# Altium PCB IMX6 DEV BOARD.PcbDoc (part 11 of 12)
Units mm, origin at the board's own origin, x right, y up, seen from the top; angles counter-clockwise.
Board outline 72.05 x 100.23 mm, 8 copper layers (Top Layer, GND 1, Inner 2, PWR 1, PWR 2, Inner 5, GND2, Bottom Layer), stack 1.463 mm thick; 691 components, 568 nets, 3028 pads, 1624 vias.
Unrouted connection lines stored in the file: 1.
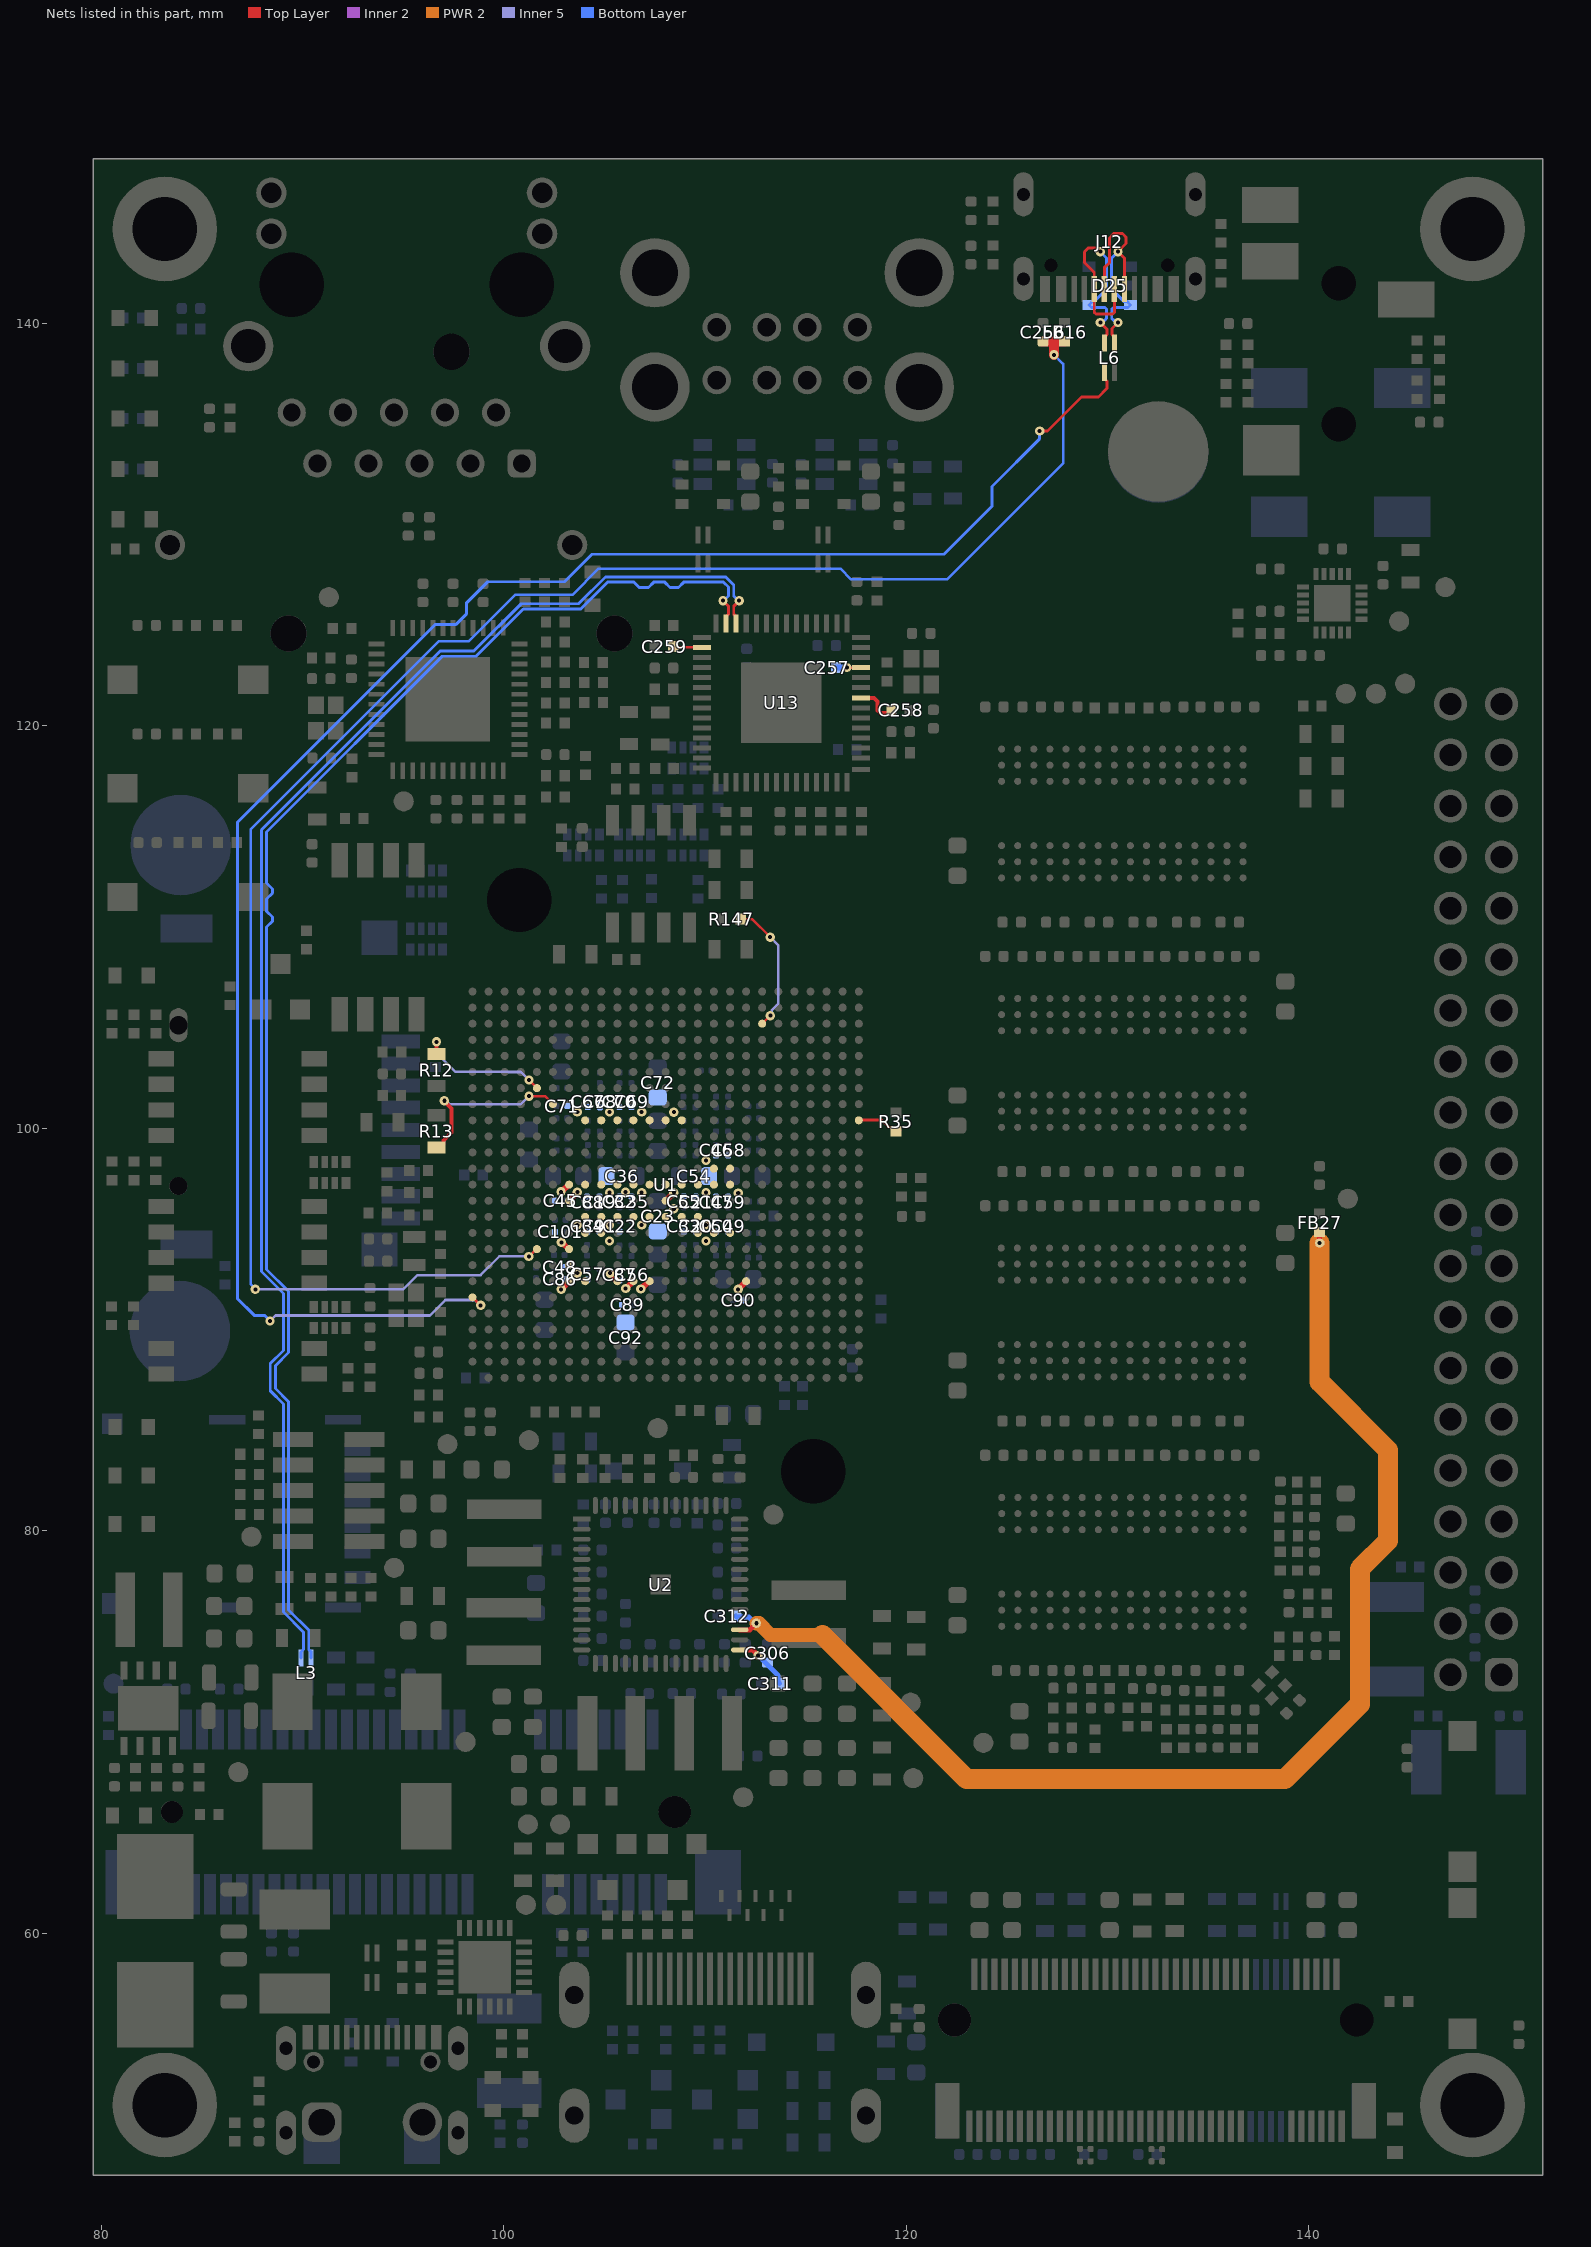
[diagram p17: the nets of this part, all layers, seen from the top]

## Via types
v1: diameter 0.46, hole 0.2, Top Layer to Bottom Layer, tented both sides, 1586 vias
v2: diameter 0.7, hole 0.4, Top Layer to Bottom Layer, 32 vias
v3: diameter 0.46, hole 0.2, Top Layer to Bottom Layer, tented bottom, 6 vias

## Nets (pads, with @x,y where several pads share a name; then routed paths per layer and width w, separated by ;. In a path a pad name is that pad's centre, name@x,y a point inside that pad or via, vN(x,y) a via of type N, cw(c..) or ccw(c..) an arc to the next point about the centre after c; other vN are vias at no path point) (continued)
USB_OTG_D_NF_N: D25.3 J12.5 J12.7 L6.3 | length 12.7
  Top Layer w0.145: J12.7@129.85,141.775 129.85,142.775 130.1,143.025 130.1,144.259 130.312,144.471 130.746,144.471 130.925,144.292 130.925,143.975 v1(130.525,143.575) 130.85,143.25 J12.5@130.85,141.775 ; L6.3@130.35,139.025 130.35,139.325 130.228,139.448 130.228,139.753 v1(130.525,140.05)
  Bottom Layer w0.145: v1(130.525,140.05) 130.44,140.05 130.321,140.168 130.301,140.168 130.216,140.253 130.216,140.715 130.301,140.8 131.025,140.8 D25.3@131.15,140.925 130.969,141.106 130.811,141.106 130.215,141.703 130.215,143.265 v1(130.525,143.575)
USB_OTG_D_NF_P: D25.4 J12.6 J12.8 L6.2 | length 12.7
  Top Layer w0.145: v1@129.647,143.57 129.602,143.57 129.405,143.767 129.069,143.767 128.868,143.566 128.868,143.024 129.347,142.545 129.347,141.62 129.347,140.558 129.432,140.473 130.262,140.473 130.347,140.558 J12.6@130.347,141.77 ; v1(129.65,140.05) 129.973,139.728 129.973,139.448 129.85,139.325 L6.2@129.85,139.025
  Bottom Layer w0.145: v1(129.65,140.05) 129.735,140.05 129.853,140.168 129.875,140.168 129.961,140.253 129.961,140.715 129.876,140.8 129.21,140.8 D25.4@129.085,140.925 129.267,141.107 129.357,141.107 129.96,141.71 129.96,143.265 v1(129.65,143.575)
USB_OTG_D_P: L6.1 U1.A6 | length 91.5
  Top Layer w0.145: U1.A6@98.444,91.6 98.447,91.6 98.847,91.2 v1(98.85,91.2) ; v1(126.634,134.666) 127.02,134.666 128.709,136.355 129.555,136.355 129.973,136.773 129.973,137.152 129.85,137.275 L6.1@129.85,137.575
  Inner 2 w0.14: v1@98.842,91.2 v1(98.85,91.2)
  Inner 5 w0.14: v1(88.379,90.428) 88.651,90.7 96.326,90.7 97.093,91.468 98.575,91.468 98.842,91.2 v1(98.85,91.2)
  Bottom Layer w0.145: v1(88.379,90.428) 88.102,90.705 87.597,90.705 86.755,91.548 86.755,115.196 96.611,125.053 97.634,125.053 98.136,125.555 98.136,126.099 99.204,127.167 103.013,127.167 104.381,128.536 121.875,128.536 124.261,130.922 124.261,131.907 126.634,134.28 v1(126.634,134.666)
USB_OTG_ID: R147.2 U1.W23 | length 6.6
  Top Layer w0.125: R147.2@111.775,110.4 112.342,110.4 v1(113.243,109.5) ; U1.W23@112.844,105.2 v1(113.244,105.6)
  Inner 5 w0.125: v1(113.243,109.5) 113.65,109.093 113.65,106.196 113.308,105.854 113.308,105.664 v1(113.244,105.6)
USB_OTG_VBUS: C256.1 FB16.1 U1.E9 | length 93.4
  Top Layer w0.125: v1(101.244,93.631) 101.259,93.631 101.629,94 U1.E9@101.644,94
  Top Layer w0.5: C256.1@126.8,139.111 127.35,139.111 ; v1(127.35,138.45) 127.35,139.111 ; FB16.1@127.875,139.118 127.854,139.118 127.847,139.111 127.35,139.111
  Inner 5 w0.125: v1(87.65,92) 87.657,92.007 95.007,92.007 95.7,92.7 98.842,92.7 99.773,93.631 v1(101.244,93.631)
  Bottom Layer w0.125: v1(87.65,92) 87.65,92.023 87.432,92.241 87.432,114.872 96.777,124.217 98.267,124.217 100.564,126.514 103.406,126.514 104.713,127.82 116.73,127.82 117.264,127.286 122.036,127.286 127.8,133.05 127.8,138 v1(127.35,138.45)
USB_PCIe_N: L3.2 U13.13 | length 73.7
  Top Layer w0.145: v1(110.9,126.225) 111.172,125.953 111.172,125.548 111.05,125.425 U13.13@111.05,125.1
  Bottom Layer w0.145: L3.2@90.425,73.671 90.425,73.971 90.303,74.094 90.303,75.058 89.302,76.059 89.302,86.408 88.645,87.064 88.645,88.199 89.302,88.855 89.302,91.897 88.211,92.988 88.211,110 88.5,110.289 88.5,110.5 88.211,110.789 88.211,111.4 88.5,111.689 88.5,111.9 88.211,112.189 88.211,114.732 96.944,123.466 98.616,123.466 100.969,125.819 103.824,125.819 105.154,127.148 106.471,127.148 106.733,126.887 107.187,126.887 107.448,127.148 108,127.148 108.261,126.887 108.684,126.887 108.946,127.148 110.925,127.148 111.173,126.9 111.173,126.691 111.172,126.465 110.932,126.225 v1(110.9,126.225)
USB_PCIe_P: L3.3 U13.12 | length 73.7
  Top Layer w0.145: U13.12@111.55,125.1 111.55,125.425 111.427,125.548 111.427,125.952 v1(111.7,126.225)
  Bottom Layer w0.145: L3.3@89.925,73.671 89.925,73.971 90.048,74.094 90.048,74.953 89.047,75.953 89.047,86.302 88.39,86.959 88.39,88.304 89.047,88.961 89.047,91.791 87.956,92.882 87.956,114.838 96.838,123.721 98.51,123.721 100.863,126.074 103.719,126.074 105.048,127.403 111.03,127.403 111.428,127.006 111.428,126.585 111.427,126.465 111.668,126.225 v1(111.7,126.225)
VDD_SNVS_CAP: C101.1 U1.G9 | length 0.5
  Top Layer w0.3: v1(102.857,94.333) 102.884,94.333 103.217,94 U1.G9@103.244,94
VDDARM_CAP: C19.1 C20.1 C21.1 C22.1 C23.1 C32.1 C33.1 C34.1 C35.1 C36.1 U1.H11 U1.H13 U1.J11 U1.J13 U1.K11 U1.K13 U1.L11 U1.L13 U1.M11 U1.M13 U1.N11 U1.N13 U1.P11 U1.P13 U1.R11 U1.R13
  other v1: 103.65,95.2 105.25,95.2 106.85,95.2 110.05,95.2 108.45,96 105.25,96.8 106.85,96.8 110.05,96.8 106.05,96.825
VDDCR18_1: C259.1 U13.16 | length 1.4
  Top Layer w0.125: C259.1@108.42,123.943 108.442,123.922 109.828,123.922 U13.16@109.85,123.9
VDDCR18_2: C258.1 U13.50 | length 2.1
  Top Layer w0.2: U13.50@117.75,121.4 118.4,121.4 118.575,121.225 118.575,120.767 118.692,120.65 119.205,120.65 C258.1@119.23,120.625
VDDHIGH_CAP: C86.1 C87.1 C88.1 C89.1 C90.1 C91.1 C92.1 U1.G7 U1.G12 U1.H10 U1.J10 U1.K7 U1.M7 U1.V7 | length 2.9
  Top Layer w0.3: v1(102.85,92) 102.85,92.003 103.244,92.397 U1.G7@103.244,92.4 ; U1.G12@103.244,96.4 103.244,96.407 103.653,96.816 v1(103.653,96.823) ; v1(105.275,92.8) 105.275,92.784 105.644,92.416 U1.K7@105.644,92.4 ; v1(106.812,92.019) 106.838,92.019 107.219,92.4 U1.M7@107.244,92.4 ; v1(111.65,92) 111.65,92.003 112.044,92.397 U1.V7@112.044,92.4
  other v1: 105.25,94.4
VDDPLL18: C257.1 U13.53 | length 1.2
  Top Layer w0.125: v1(117.05,122.9) U13.53@117.75,122.9
  Bottom Layer w0.3: C257.1@116.507,122.9 v1(117.05,122.9)
VDDPU_CAP: C67.1 C68.1 C69.1 C70.1 C71.1 C72.1 U1.H17 U1.J17 U1.K17 U1.L17 U1.M17 U1.N17 U1.P17
  other v1: 103.65,100.811 105.25,100.811 106.85,100.811 108.45,100.8
VDDSOC_CAP: C45.1 C46.1 C47.1 C48.1 C49.1 C50.1 C54.1 C55.1 C56.1 C57.1 C58.1 C59.1 U1.G8 U1.G13 U1.H7 U1.L7 U1.N12 U1.R10 U1.T10 U1.T13 U1.T14 U1.U10 U1.U13 U1.U14 | length 1.7
  Top Layer w0.3: v1(102.839,96.847) 102.865,96.847 103.218,97.2 U1.G13@103.244,97.2 ; v1(106.058,92.038) 106.07,92.038 106.432,92.4 U1.L7@106.444,92.4 ; U1.N12@108.044,96.4 108.047,96.4 108.447,96.8 v1(108.45,96.8)
  other v1: 103.65,92.8 110.05,94.4 111.653,96.791 110.05,98.4
VREF_DDR: C312.1 FB27.1 U2.31 | length 62.3
  Top Layer w0.25: U2.31@111.726,75.075 112.225,75.075 v1(112.55,75.4) ; v1(140.55,94.3) FB27.1@140.55,94.843
  PWR 2 w0.7: v1(112.55,75.4) 112.675,75.4 113.259,74.816 115.846,74.816
  PWR 2 w1: 115.846,74.816 123.012,67.65 138.825,67.65 142.55,71.375 142.55,78.1 143.95,79.5 143.95,84 140.55,87.4 v1(140.55,94.3)
  Bottom Layer w0.25: C312.1@111.55,75.75 111.586,75.714 112.179,75.714 112.493,75.4 v1(112.55,75.4)
VREF_HALF: C306.2 C311.1 U2.29 | length 2.6
  Top Layer w0.25: U2.29@112.031,74.071 112.369,74.071 v1(112.644,73.797)
  Bottom Layer w0.25: v1@112.644,73.796 113.631,72.809 113.631,72.476 C311.1@113.707,72.4
WDOG1_RST: R12.1 U1.E19 | length 6.9
  Top Layer w0.125: v1(101.246,102.4) 101.249,102.4 101.646,102.002 101.649,102 U1.E19@101.652,102
  Top Layer w0.2: R12.1@96.65,103.696 v1(96.65,104.3)
  Inner 5 w0.125: v1(96.65,104.3) 96.65,103.75 97.593,102.807 100.243,102.807 100.25,102.8 100.846,102.8 v1(101.246,102.4)
WDOG2_RST: R13.1 U1.F18 | length 8.7
  Top Layer w0.125: v1(101.25,101.6) 102.044,101.6 U1.F18@102.444,101.2
  Top Layer w0.2: R13.1@96.65,99.05 96.8,99.05 97,99.25 97,99.4 97.4,99.8 97.4,100.978 97.044,101.334 v1(97.044,101.371)
  Inner 5 w0.125: v1(97.044,101.371) 97.134,101.371 97.305,101.2 100.85,101.2 v1(101.25,101.6)
ZQPAD: R35.2 U1.AE17 | length 2.3
  Top Layer w0.15: U1.AE17@117.644,100.4 117.654,100.41 118.79,100.41 119.168,100.032 119.564,100.032 R35.2@119.696,99.9
pads on no net: BT1. D2.1 D23.1 D24.1 D25.1 J1.3 J1.4 J1.9 J1.10 J2.MH1 J2.MH2 J3. J6.6 J6.8 J6.10 J7. J8. J8.3 J8.5 J8.7 J8.17 J8.19 J8.45 J8.47 J8.49 J8.51 J10. J10.5 J10.6 J10.7 J10.8 J10.9 J10.11 J10.20 J10.22 J10.23 J10.24 J10.25 J10.26 J10.28 J10.29 J10.30 J10.31 J10.32 J10.34 J10.35 J10.36 J10.37 J10.40 J10.42 J10.44 J10.46 J10.48 J10.50 J10.52 J10.53 J10.54 J10.55 J10.59 J10.60 J10.61 J10.62 J10.63 J10.64 J10.65 J10.66 J10.67 J10.68 J12. J12.3 J12.4 J12.9 J12.10 U1.A9 U1.A10 U1.A11 U1.A16 U1.A17 U1.A21 U1.AA1 U1.AA2 U1.AA3 U1.AA4 U1.AA11 U1.AB1 U1.AB2 U1.AB17 U1.AD17 U1.B8 U1.B9 U1.B10 U1.B11 U1.B16 U1.B17 U1.B21 U1.C5 U1.C8 U1.C15 U1.C16 U1.C19 U1.C20 U1.C25 U1.D1 U1.D2 U1.D4 U1.D5 U1.D16 U1.D20 U1.D24 U1.D25 U1.E1 U1.E2 U1.E3 U1.E4 U1.E15 U1.E16 U1.E18 U1.E24 U1.E25 U1.F1 U1.F2 U1.F3 U1.F4 U1.F15 U1.F16 U1.F17 U1.F21 U1.F22 U1.G1 U1.G2 U1.G4 U1.G20 U1.G21 U1.G22 U1.H1 U1.H2 U1.H3 U1.H4 U1.H19 U1.H21 U1.H24 U1.J20 U1.J23 U1.J24 U1.L6 U1.M6 U1.N22 U1.P5 U1.P6 U1.P21 U1.P22 U1.R1 U1.R3 U1.R7 U1.R20 U1.R24 U1.T23 U1.T24 U1.U1 U1.U2 U1.U3 U1.U4 U1.U25 U1.V1 U1.V2 U1.V3 U1.V4 U1.W1 U1.W2 U1.Y1 U1.Y2 U1.Y3 U1.Y4 U2.16 U2.33 U2.44 U2.45 U2.46 U3.J1 U3.J9 U3.L1 U4.J1 U4.J9 U4.L1 U5.J1 U5.J9 U5.L1 U6.J1 U6.J9 U6.L1 U8.13 U8.14 U8.15 U8.16 U8.17 U8.21 U8.23 U8.24 U8.48 U11.2 U11.6 U11.7 U11.8 U11.9 U12.1 U12.10 U12.11 U12.12 U12.15 U12.16 U12.17 U12.18 U12.19 U12.22 U12.23 U12.24 U13.15 U13.18 U13.20 U13.21 U13.22 U13.24 U13.25 U13.26 U13.29 U13.31 U13.43 U13.46 U13.48 U13.49 U13.55 U14.4 U15.4

## Polygon pours and split planes (outlines as drawn)
NetC300_1 on Top Layer "NETC300_1_L01_P329" (solid, pour order 329): 28 vertices, not listed, extent 111.6,67.2 144.8,79.3
GND on Top Layer "GND_L01_P327" (solid, pour order 327): 99.4,70 99.6,69.8 101.8,69.8 101.945,69.945 101.945,70.855 101.8,71 99.5,71 99.4,70.9
+4.4V on Top Layer "+4.4V_L01_P326" (solid, pour order 326): 19 vertices, not listed, extent 91.6,60.2 99.8,72.5
+3.3V_PCIe on Top Layer "+3.3V_PCIE_L01_P325" (solid, pour order 325): 17 vertices, not listed, extent 90.1,67.7 96.9,76.1
+1.1V_PHY on Top Layer "+1.1V_PHY_L01_P295" (solid, pour order 295): 91.475,117.625 91.1,117.25 90.3,117.25 90.3,116.65 91.175,116.65 91.475,116.35 91.675,116.55 91.675,117.425
+3.3V on Top Layer "+3.3V_L01_P107" (solid, pour order 107): 34 vertices, not listed, extent 105.65,54.3 118.1,71.75
+5V on Top Layer "+5V_L01_P193" (solid, remove dead copper, pour order 193): 22 vertices, not listed, extent 82.45,60.3 91.4,74.1
+1.375_VDD_ARM on Top Layer "+1.375_VDD_ARM_L01_P141" (solid, pour order 141): 96,83.6 96.2,83.8 97.2,83.8 97.6,84.2 97.6,84.6 97.5,84.7 96.2,84.7 96,84.5 94.3,84.5 94.3,82.55 95.35,82.55 96,83.2
+2.5V_TRANS on Top Layer "+2.5V_TRANS_L01_P318" (solid, pour order 318): 102.95,122.2 102.95,121.1 104.05,121.1 104.05,122.2
+1.5V_PCIe on Top Layer "+1.5V_PCIE_L01_P316" (solid, pour order 316): 118.35,67.9 118.35,67 118.15,66.8 118.15,66.5 118.35,66.3 119.55,66.3 119.65,66.4 119.65,66.5 120.35,67.2 120.75,67.6 120.75,67.9 120.45,68.2 118.65,68.2
NetFB26_1 on Top Layer "NETFB26_1_L01_P315" (solid, pour order 315): 118.35,69 119.25,69 119.25,71.1 118.35,71.1
+3.3V_CARD on Top Layer "+3.3V_CARD_L01_P308" (solid, pour order 308): 132.675,61.025 132.675,59.975 132.85,59.8 134.35,59.8 134.625,60.075 134.625,60.8 134.4,61.025
GND on Top Layer "GND_L01_P303" (solid, pour order 303): 80.325,124.025 81.6,125.3 82.036,125.3 82.036,123.103 82.038,122.783 82.05,121.019 82.05,113.925 81.775,113.65 81.775,111.075 81.5,110.8 80.6,110.8 80.3,111.1 80.325,111.125
GND on Top Layer "GND_L01_P300" (solid, pour order 300): 124.6,145.375 122.95,145.375 122.95,143.625 124.6,143.625
NetC243_1 on Top Layer "NETC243_1_L01_P299" (solid, pour order 299): 18 vertices, not listed, extent 116.6,132.35 119.9,137.75
NetC247_1 on Top Layer "NETC247_1_L01_P298" (solid, pour order 298): 113.575,132.65 113.825,132.65 113.9,132.725 113.9,134.3 113.875,134.325 113.25,134.325 112.1,133.175 110.6,133.175 110.6,132.6 110.85,132.35 113.275,132.35
NetC283_1 on Top Layer "NETC283_1_L01_P296" (solid, pour order 296): 90.275,115.2 90.275,115.75 90.125,115.9 90.125,116 90.225,116.1 91.175,116.1 91.3,115.975 91.175,115.85 91.175,115.2
NetFB2_1 on Top Layer "NETFB2_1_L01_P294" (solid, pour order 294): 88.6,74.2 89.547,74.2 89.547,76.4 88.6,76.4
+3.3V_IMX6_IO on Top Layer "+3.3V_IMX6_IO_L01_P220" (solid, pour order 220): 106.25,107.7 106.85,107.7 107.45,108.3 107.45,108.5 107.25,108.7 106.25,108.7
+1.375_VDD_SOC_IN on Top Layer "+1.375_VDD_SOC_IN_L01_P139" (solid, pour order 139): 94.1,76.175 95.95,76.175 95.95,77.5 97.55,77.5 97.55,78.755 94.1,78.755
+1.375_VDD_SOC_IN on Top Layer "+1.375_VDD_SOC_IN_L01_P157" (solid, pour order 157): 44 vertices, not listed, extent 103.975,99.4 111.425,100.175
+3.3V_M2_SATA on Top Layer "+3.3V_M2_SATA_L01_P208" (solid, pour order 208): 36 vertices, not listed, extent 122.95,56.4 144.2,61.1
+3.3V_CARD on Top Layer "+3.3V_CARD_L01_P192" (solid, pour order 192): 29 vertices, not listed, extent 83.05,74.2 93.7,83.1
GND on Top Layer "GND_L01_P197" (solid, pour order 197): 86.95,73.4 86.95,70.1 88.05,70.1 88.05,73.4
+0.75_DRAM_VTT on Top Layer "+0.75_DRAM_VTT_L01_P196" (solid, pour order 196): 105.05,67.2 105.75,67.2 105.95,67.4 107.25,67.4 107.25,66.1 105.55,66.1 105.35,66.3 105.05,66.3
NetL1_1 on Top Layer "NETL1_1_L01_P194" (solid, pour order 194): 82.122,72.6 82.122,74.272 82.25,74.4 82.25,77.9 80.75,77.9 80.75,74.4 81.75,73.4 81.75,72.6
GND on Top Layer "GND_L01_P190" (solid, pour order 190): 86.45,78.8 86.45,73.7 87.9,73.7 87.9,78.8
NetC181_1 on Top Layer "NETC181_1_L01_P189" (solid, pour order 189): 87.5,57.125 88.425,56.2 91.332,56.2 91.332,59.482 91.25,59.575 85.65,59.575 85.65,64.9 80.75,64.9 80.75,58.95 84.9,58.95 84.9,57.125
GND on Top Layer "GND_L01_P188" (solid, pour order 188): 96.259,54.1 96.4,54.241 96.4,54.775 96.525,54.9 96.9,54.9 96.9,53.4 96.6,53.1 96.175,53.1 95.9,53.375 95.9,53.741
GND on Top Layer "GND_L01_P187" (solid, pour order 187): 90,54.9 90,53.4 90.3,53.1 90.694,53.1 90.978,53.384 90.978,53.722 90.5,54.2 90.5,54.775 90.375,54.9
NetD2_5 on Top Layer "NETD2_5_L01_P186" (solid, pour order 186): 48 vertices, not listed, extent 80.75,48.65 97.1,56.5
GND on Top Layer "GND_L01_P183" (solid, pour order 183): 105.35,74.85 110.25,74.85 110.252,75.45 111.958,75.45 112.079,75.571 111.95,75.7 110.25,75.7 110.25,79.75 108.669,79.75 108.669,81.3 108.45,81.3 108.45,79.75 105.35,79.75
GND on Top Layer "GND_L01_P179" (solid, pour order 179): 29 vertices, not listed, extent 99.95,90.475 103.1,93.4
+1.5V_DRAM on Top Layer "+1.5V_DRAM_L01_P156" (solid, pour order 156): 54 vertices, not listed, extent 109.475,93.45 112.525,101.7
GND on Top Layer "GND_L01_P176" (solid, pour order 176): 37 vertices, not listed, extent 110.25,98.225 113.45,102.575
VDDSOC_CAP on Top Layer "VDDSOC_CAP_L01_P175" (solid, pour order 175): 103.433,93.342 104.2,92.575 104.2,92.325 104.125,92.25 103.85,92.25 103.025,93.075 103.025,93.2 103.2,93.375
+3.3V_IMX6_IO on Top Layer "+3.3V_IMX6_IO_L01_P173" (solid, pour order 173): 108.325,93 107.875,92.55 107.875,92.2 108.025,92.05 108.875,92.05 109.025,92.2 109.025,92.55 108.575,93
GND on Top Layer "GND_L01_P172" (solid, pour order 172): 76 vertices, not listed, extent 103.425,91.825 113.425,97.65
+2.8V_VDD_HIGH on Top Layer "+2.8V_VDD_HIGH_L01_P171" (solid, pour order 171): 104.913,93.8 103.925,93.8 103.425,94.3 103.425,94.45 103.575,94.6 103.775,94.6 104.125,94.25 104.85,94.25 105.072,94.028
VDDARM_CAP on Top Layer "VDDARM_CAP_L01_P162" (solid, pour order 162): 29 vertices, not listed, extent 103.65,96.65 110.175,97.625
VDDSOC_CAP on Top Layer "VDDSOC_CAP_L01_P170" (solid, pour order 170): 109.725,95 109.875,94.85 110.225,94.85 110.65,95.275 111.1,95.275 111.45,94.925 111.45,94.575 111.375,94.5 110.5,94.5 110.225,94.225 109.95,94.225 109.475,94.7 109.475,94.9
+1.375_VDD_ARM on Top Layer "+1.375_VDD_ARM_L01_P169" (solid, pour order 169): 30 vertices, not listed, extent 105.45,93.45 111.4,94.475
GND on Top Layer "GND_L01_P168" (solid, pour order 168): 22 vertices, not listed, extent 105.45,94.225 109.025,95.3
VDDHIGH_CAP on Top Layer "VDDHIGH_CAP_L01_P167" (solid, pour order 167): 104,95 103.875,94.875 103.875,94.75 104.225,94.4 104.925,94.4 105.075,94.25 105.3,94.25 105.4,94.35 105.4,94.525 104.925,95
VDDARM_CAP on Top Layer "VDDARM_CAP_L01_P166" (solid, pour order 166): 44 vertices, not listed, extent 103.45,95.025 110.225,96.2
GND on Top Layer "GND_L01_P165" (solid, pour order 165): 108.85,96.6 109.7,96.6 109.85,96.45 110.225,96.45 110.5,96.725 111.2,96.725 111.55,96.375 111.55,95.65 111.35,95.45 110.325,95.45 109.85,95.925 109.05,95.925 108.65,96.325
VDDSOC_CAP on Top Layer "VDDSOC_CAP_L01_P164" (solid, pour order 164): 21 vertices, not listed, extent 109.9,96.575 111.775,98.575
GND on Top Layer "GND_L01_P163" (solid, pour order 163): 36 vertices, not listed, extent 103.55,95.8 107.625,96.6
+3.3V_IMX6_IO on Top Layer "+3.3V_IMX6_IO_L01_P161" (solid, pour order 161): 20 vertices, not listed, extent 102.65,97.85 103.775,100.575
+1.375_VDD_ARM on Top Layer "+1.375_VDD_ARM_L01_P154" (solid, pour order 154): 31 vertices, not listed, extent 103.525,97.7 109.825,98.5
+3.3V_IMX6_IO on Top Layer "+3.3V_IMX6_IO_L01_P160" (solid, pour order 160): 21 vertices, not listed, extent 105.025,101.8 107.425,102.575
GND on Top Layer "GND_L01_P159" (solid, pour order 159): 45 vertices, not listed, extent 103.025,100.2 111.825,102.225
VDDPU_CAP on Top Layer "VDDPU_CAP_L01_P158" (solid, pour order 158): 34 vertices, not listed, extent 103.45,100.2 109.025,101
GND on Top Layer "GND_L01_P155" (solid, pour order 155): 48 vertices, not listed, extent 103.422,98.6 111.8,99.4
GND on Top Layer "GND_L01_P134" (solid, pour order 134): 100.403,82.376 100.141,82.638 99.75,82.638 99.75,83.45 100.123,83.45 100.381,83.709 100.85,83.697 100.85,82.376
+1.5V_DRAM on Top Layer "+1.5V_DRAM_L01_P132" (solid, pour order 132): 120.836,74.55 121.775,73.615 121.775,70.8 119.45,70.8 119.45,74.55
NetL10_1 on Top Layer "NETL10_1_L01_P089" (solid, pour order 89): 107.95,71.003 108.45,70.503 108.45,68.05 109.45,68.05 109.45,72.15 108.75,72.15 108.15,72.75 108.15,73.75 107.95,73.75
+1.375V_A on Top Layer "+1.375V_A_L01_P114" (solid, pour order 114): 96.25,78.95 97.75,78.95 97.75,80.05 101.85,80.05 101.85,82.05 99.15,82.05 99.15,83.575 96.25,83.575
GND on Top Layer "GND_L01_P113" (solid, pour order 113): 94.581,80.25 94.3,80.25 94.3,78.85 94.581,78.85 95.9,78.85 95.9,82.3 94.581,82.3
+1.5V on Top Layer "+1.5V_L01_P110" (solid, pour order 110): 113.25,75.15 117.55,75.15 117.55,74.65 119.325,74.65 119.325,71.95 113.25,71.95
GND on Top Layer "GND_L01_P109" (solid, pour order 109): 112.537,66.95 117.975,66.95 117.975,68.269 112.537,68.269
GND on Top Layer "GND_L01_P108" (solid, pour order 108): 112.57,71.55 118.15,71.55 118.15,70.227 112.57,70.227
GND on Top Layer "GND_L01_P105" (solid, pour order 105): 99.921,66.079 100.2,65.8 100.6,65.8 100.8,66 101,66.2 101.298,66.2 101.298,68.9 99.921,68.9
+1.375V_S on Top Layer "+1.375V_S_L01_P100" (solid, pour order 100): 97.445,72.7 98.4,72.7 98.836,72.264 98.836,71.345 102.189,71.345 102.189,75.074 97.789,75.074 97.789,77.274 96.2,77.274 96.2,73.945
NetC309_1 on Top Layer "NETC309_1_L01_P101" (solid, pour order 101): 102.4,69.5 101.8,68.9 101.8,66.2 104.7,66.2 104.7,67.4 105.15,67.85 105.15,72.25 102.4,72.25